# Altium PCB slave.PcbDoc (part 4 of 7)
Units mm, origin at the board's own origin, x right, y up, seen from the top; angles counter-clockwise.
Board outline 260 x 70 mm, 6 copper layers (Top, FUSED_VBAT-, Signals1, Signals2, SUPPLY, Bottom), stack 1.67 mm thick; 597 components, 381 nets, 1695 pads, 3029 vias.
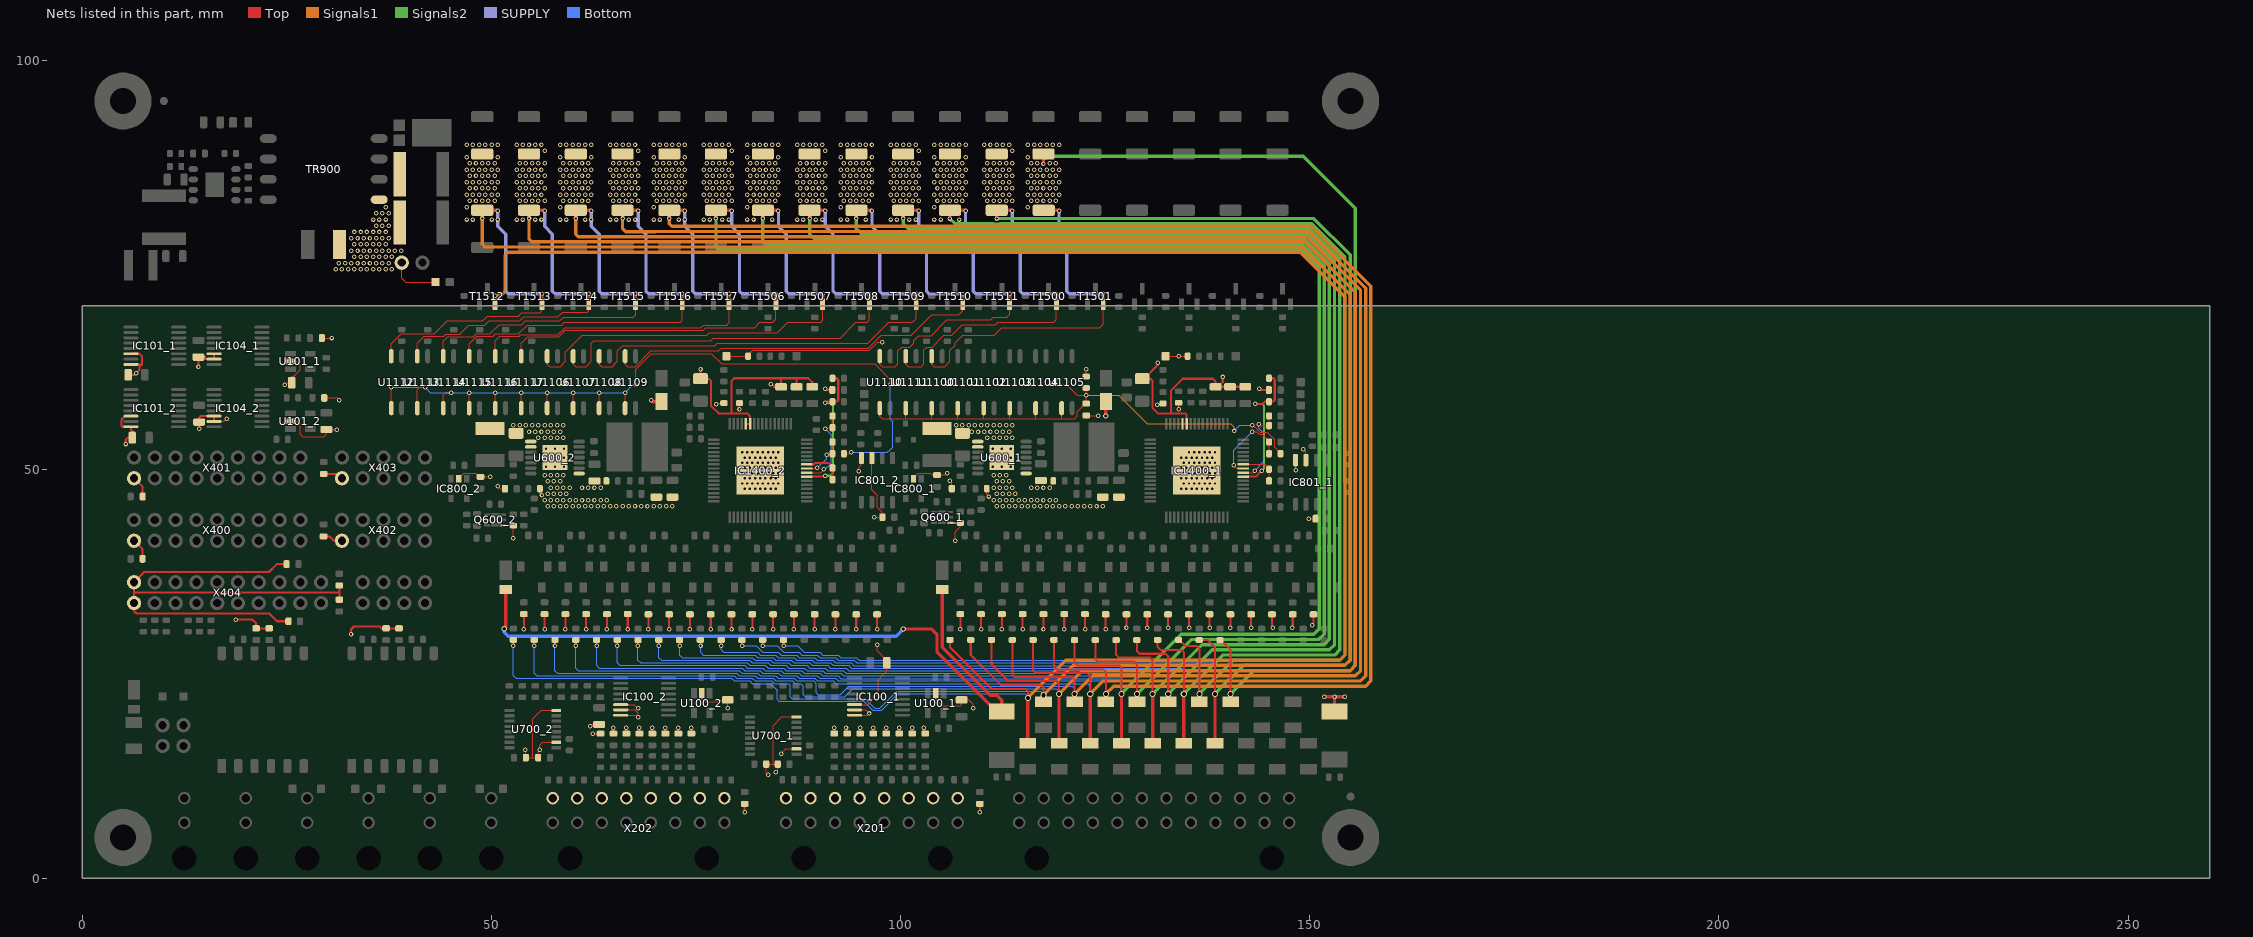
[diagram p8: the nets of this part, all layers, seen from the top]

## Via types
v1: diameter 0.55, hole 0.3, Top to Bottom, tented both sides, 2991 vias
v2: diameter 0.75, hole 0.5, Top to Bottom, tented both sides, 22 vias
v3: diameter 0.65, hole 0.4, Top to Bottom, tented both sides, 16 vias

## Nets (pads, with @x,y where several pads share a name; then routed paths per layer and width w, separated by ;. In a path a pad name is that pad's centre, name@x,y a point inside that pad or via, vN(x,y) a via of type N, cw(c..) or ccw(c..) an arc to the next point about the centre after c; other vN are vias at no path point) (continued)
FUSED_CELL.CELL_4+: F314.2 R1301_1.1 R1301_2.1 R1500.1 R1506.1 T1501.2 U1100.2 | length 228.9
  Top w0.152: U1100.2@103.822,63.817 103.822,62.841 104.116,62.547 105.41,62.547 106.045,63.182 106.045,64.535 106.68,65.17 106.68,65.458 107.58,66.358 111.442,66.358 112.395,67.31 124.362,67.31 124.775,67.723 T1501.2@124.775,70.17
  Top w0.254: R1301_2.1@85.705,29.133 85.705,28.436 v1(85.725,28.416) ; R1301_1.1@139.045,29.133 139.145,29.133 140.335,27.942 v2(140.335,22.543)
  Top w0.406: v1(117.475,87.313) R1506.1@117.475,88.53 ; R1500.1@117.505,81.65 119.327,81.65 v1(119.38,81.597) ; T1501.2@124.775,70.17 124.775,71.435 v1(124.777,71.438) ; F314.2@140.335,21.593 v2(140.335,22.543)
  Signals2 w0.406: v1(117.475,87.313) 117.475,87.789 117.951,88.265 149.225,88.265 155.575,81.915 155.575,81.597 155.575,69.85 155.575,26.035 154.94,25.4 143.192,25.4 v2(140.335,22.543)
  SUPPLY w0.406: v1(119.38,81.597) 119.38,79.692 120.332,78.74 120.332,71.755 120.65,71.438 v1(124.777,71.438)
  Bottom w0.152: v1(85.725,28.416) 87.471,28.416 88.265,27.622 90.17,27.622 90.487,27.305 92.392,27.305 92.71,26.987 94.615,26.987 94.945,26.658 140.017,26.658 140.335,26.34 v2(140.335,22.543)
  other v1: 115.57,82.042 115.951,82.804 116.713,82.804 117.475,82.804 118.237,82.804 118.999,82.804 115.57,83.566 116.332,83.566 117.094,83.566 117.856,83.566 118.618,83.566 119.38,83.566 115.951,84.328 116.713,84.328 117.475,84.328 118.237,84.328 118.999,84.328 115.57,85.09 116.332,85.09 117.094,85.09 117.856,85.09 118.618,85.09 119.38,85.09 115.951,85.852 116.713,85.852 117.475,85.852 118.237,85.852 118.999,85.852 115.57,86.614 116.332,86.614 117.094,86.614 117.856,86.614 118.618,86.614 119.38,86.614 115.951,87.376 116.713,87.376 118.237,87.376 118.999,87.376 115.57,88.138 115.57,89.662 116.332,89.662 117.094,89.662 117.856,89.662 118.618,89.662 119.38,89.662
FUSED_CELL.CELL_5+: F313.2 R1300_1.1 R1300_2.1 R1523.1 R1529.1 T1500.2 U1111.2 | length 231.1
  Top w0.152: U1111.2@100.647,63.817 100.647,62.841 100.941,62.547 102.552,62.547 102.87,62.865 102.87,64.609 103.188,64.927 103.859,64.927 105.29,66.358 106.28,66.358 107.567,67.645 111.615,67.645 111.915,67.945 118.742,67.945 119.06,68.263 T1500.2@119.06,70.17
  Top w0.254: R1300_2.1@83.165,29.133 83.165,28.436 v1(83.185,28.416) ; R1300_1.1@136.505,29.133 137.555,29.133 138.43,28.258 v2(138.43,22.543)
  Top w0.406: v1(111.763,80.64) 111.76,80.643 R1523.1@111.76,81.65 113.612,81.65 v1(113.665,81.597) ; T1500.2@119.06,70.17 v1(119.06,71.438) ; F313.2@138.43,16.513 v2(138.43,22.543)
  Signals2 w0.406: v1(111.763,80.64) 150.5,80.64 154.94,76.2 154.94,69.85 154.94,26.67 154.305,26.035 141.922,26.035 v2(138.43,22.543)
  SUPPLY w0.406: v1(113.665,81.597) 113.665,79.692 114.617,78.74 114.617,71.755 114.935,71.438 v1(119.06,71.438)
  Bottom w0.152: v1(83.185,28.416) 84.931,28.416 85.725,27.622 87.63,27.622 87.947,27.305 89.852,27.305 90.17,26.987 92.075,26.987 92.392,26.67 94.297,26.67 94.627,26.34 138.112,26.34 138.43,26.023 v2(138.43,22.543)
  other v1: 110.617,82.804 111.379,82.804 112.141,82.804 112.903,82.804 113.665,82.804 110.236,83.566 110.998,83.566 111.76,83.566 112.522,83.566 113.284,83.566 110.617,84.328 111.379,84.328 112.141,84.328 112.903,84.328 113.665,84.328 110.236,85.09 110.998,85.09 111.76,85.09 112.522,85.09 113.284,85.09 110.617,85.852 111.379,85.852 112.141,85.852 112.903,85.852 113.665,85.852 110.236,86.614 110.998,86.614 111.76,86.614 112.522,86.614 113.284,86.614 110.617,87.376 111.379,87.376 112.141,87.376 112.903,87.376 113.665,87.376 113.665,88.9 110.236,89.662 110.998,89.662 111.76,89.662 112.522,89.662 113.284,89.662
FUSED_CELL.CELL_6+: F312.2 R1312_1.1 R1312_2.1 R1522.1 R1528.1 T1511.2 U1110.2 | length 230.1
  Top w0.152: U1110.2@97.472,63.817 97.472,62.841 97.798,62.515 99.345,62.515 99.695,62.865 99.695,64.453 100.169,64.927 101.134,64.927 101.6,65.393 101.6,65.722 102.223,66.345 103.736,66.345 105.653,68.263 111.057,68.263 111.363,68.568 112.998,68.568 113.345,68.914 T1511.2@113.345,70.17
  Top w0.254: R1312_2.1@80.625,29.133 80.625,28.436 v1(80.645,28.416) ; R1312_1.1@133.965,29.082 R1312_1.1@133.985,29.062 ; R1312_1.1@133.965,29.133 134.065,29.133 134.781,28.416 136.207,28.416 136.525,28.099 v2(136.525,22.543)
  Top w0.406: v1(106.045,80.64) R1522.1@106.045,81.65 107.897,81.65 v1(107.95,81.597) ; T1511.2@113.345,70.17 113.345,71.435 v1(113.347,71.438) ; F312.2@136.525,21.593 v2(136.525,22.543)
  Signals2 w0.406: v1(106.045,80.64) 106.675,80.01 111.429,80.01 111.481,79.959 112.045,79.959 112.097,80.01 150.239,80.01 154.305,75.944 154.305,70.802 154.305,70.168 154.305,27.305 153.67,26.67 140.653,26.67 v2(136.525,22.543)
  SUPPLY w0.406: v1(107.95,81.597) 107.95,79.692 108.902,78.74 108.902,71.755 109.22,71.438 v1(113.347,71.438)
  Bottom w0.152: v1(80.645,28.416) 82.391,28.416 83.185,27.622 85.09,27.622 85.407,27.305 87.312,27.305 87.63,26.987 89.535,26.987 89.852,26.67 91.757,26.67 92.075,26.352 93.98,26.352 94.31,26.023 136.207,26.023 136.525,25.705 v2(136.525,22.543)
  other v1: 104.14,80.518 104.902,80.518 107.188,80.518 104.14,82.042 104.521,82.804 105.283,82.804 106.045,82.804 106.807,82.804 107.569,82.804 104.14,83.566 104.902,83.566 105.664,83.566 106.426,83.566 107.188,83.566 107.95,83.566 104.521,84.328 105.283,84.328 106.045,84.328 106.807,84.328 107.569,84.328 104.14,85.09 104.902,85.09 105.664,85.09 106.426,85.09 107.188,85.09 107.95,85.09 104.521,85.852 105.283,85.852 106.045,85.852 106.807,85.852 107.569,85.852 104.14,86.614 104.902,86.614 105.664,86.614 106.426,86.614 107.188,86.614 107.95,86.614 104.521,87.376 105.283,87.376 106.045,87.376 106.807,87.376 107.569,87.376 104.14,88.138 107.95,88.138 104.14,89.662 104.902,89.662 105.664,89.662 106.426,89.662 107.188,89.662 107.95,89.662
FUSED_CELL.CELL_7+: F311.2 R1311_1.1 R1311_2.1 R1521.1 R1527.1 T1510.2 U1109.2 | length 266.8
  Top w0.152: U1109.2@66.358,63.817 66.358,62.841 66.651,62.547 67.608,62.547 69.513,64.453 77.805,64.453 78.123,64.77 96.092,64.77 97.68,66.358 101.295,66.358 103.835,68.897 107.139,68.897 107.61,69.368 T1510.2@107.61,70.17
  Top w0.254: R1311_2.1@78.085,29.133 78.085,28.436 v1(78.105,28.416) ; R1311_1.1@131.425,29.133 131.425,28.278 131.762,27.94 134.302,27.94 134.62,27.622 v2(134.62,22.543)
  Top w0.406: v1(100.335,80.645) 100.33,80.65 R1521.1@100.33,81.65 102.182,81.65 v1(102.235,81.597) ; T1510.2@107.61,70.17 v1(107.61,71.415) ; F311.2@134.62,16.513 v2(134.62,22.543)
  Signals2 w0.406: v1(100.335,80.645) 100.33,80.64 100.33,80.01 100.965,79.375 101.6,79.375 149.976,79.375 153.67,75.681 153.67,70.802 153.67,70.168 153.67,27.94 153.035,27.305 139.382,27.305 v2(134.62,22.543)
  SUPPLY w0.406: v1(102.235,81.597) 102.235,79.692 103.188,78.74 103.188,71.755 103.528,71.415 v1(107.61,71.415)
  Bottom w0.152: v1(78.105,28.416) 78.105,27.94 78.422,27.622 82.55,27.622 82.867,27.305 84.772,27.305 85.09,26.987 86.995,26.987 87.312,26.67 89.218,26.67 89.535,26.352 91.44,26.352 91.757,26.035 93.662,26.035 93.992,25.705 134.302,25.705 134.62,25.388 v2(134.62,22.543)
  other v1: 98.806,80.518 99.568,80.518 101.092,80.518 101.854,80.518 99.187,82.804 99.949,82.804 100.711,82.804 101.473,82.804 102.235,82.804 98.806,83.566 99.568,83.566 100.33,83.566 101.092,83.566 101.854,83.566 99.187,84.328 99.949,84.328 100.711,84.328 101.473,84.328 102.235,84.328 98.806,85.09 99.568,85.09 100.33,85.09 101.092,85.09 101.854,85.09 99.187,85.852 99.949,85.852 100.711,85.852 101.473,85.852 102.235,85.852 98.806,86.614 99.568,86.614 100.33,86.614 101.092,86.614 101.854,86.614 99.187,87.376 99.949,87.376 100.711,87.376 101.473,87.376 102.235,87.376 102.235,88.9 98.806,89.662 99.568,89.662 100.33,89.662 101.092,89.662 101.854,89.662
FUSED_CELL.CELL_8+: F310.2 R1310_1.1 R1310_2.1 R1520.1 R1526.1 T1509.2 U1108.2 | length 268
  Top w0.152: U1108.2@63.182,63.817 63.182,62.841 63.476,62.547 64.77,62.547 65.405,63.182 65.405,64.453 66.04,65.087 77.282,65.087 77.607,65.413 96.016,65.413 98.549,67.945 101.465,67.945 101.93,68.41 T1509.2@101.93,70.17
  Top w0.254: R1310_2.1@75.545,29.133 75.545,28.436 v1(75.565,28.416) ; R1310_1.1@128.885,29.133 128.885,27.801 129.222,27.464 132.398,27.464 132.715,27.146 v2(132.715,22.543)
  Top w0.406: v1(94.615,80.645) R1520.1@94.615,81.65 96.467,81.65 v1(96.52,81.597) ; v1(101.917,71.438) 101.93,71.438 T1509.2@101.93,70.17 ; F310.2@132.715,21.593 v2(132.715,22.543)
  Signals2 w0.406: v1(94.615,80.645) 94.615,79.375 94.932,79.058 95.25,78.74 149.713,78.74 153.035,75.418 153.035,70.168 153.035,28.575 152.4,27.94 138.112,27.94 v2(132.715,22.543)
  SUPPLY w0.406: v1(96.52,81.597) 96.52,79.692 97.472,78.74 97.472,71.755 97.79,71.438 v1(101.917,71.438)
  Bottom w0.152: v1(75.565,28.416) 75.565,27.622 75.882,27.305 82.233,27.305 82.55,26.987 84.455,26.987 84.772,26.67 86.677,26.67 86.995,26.352 88.9,26.352 89.218,26.035 91.123,26.035 91.44,25.717 93.345,25.717 93.675,25.388 132.398,25.388 132.715,25.07 v2(132.715,22.543)
  other v1: 92.71,80.518 93.472,80.518 95.758,80.518 92.71,82.042 93.091,82.804 93.853,82.804 94.615,82.804 95.377,82.804 96.139,82.804 92.71,83.566 93.472,83.566 94.234,83.566 94.996,83.566 95.758,83.566 96.52,83.566 93.091,84.328 93.853,84.328 94.615,84.328 95.377,84.328 96.139,84.328 92.71,85.09 93.472,85.09 94.234,85.09 94.996,85.09 95.758,85.09 96.52,85.09 93.091,85.852 93.853,85.852 94.615,85.852 95.377,85.852 96.139,85.852 92.71,86.614 93.472,86.614 94.234,86.614 94.996,86.614 95.758,86.614 96.52,86.614 93.091,87.376 93.853,87.376 94.615,87.376 95.377,87.376 96.139,87.376 92.71,88.138 96.52,88.138 92.71,89.662 93.472,89.662 94.234,89.662 94.996,89.662 95.758,89.662 96.52,89.662
FUSED_CELL.CELL_9+: F309.2 R1309_1.1 R1309_2.1 R1519.1 R1525.1 T1508.2 U1107.2 | length 278.7
  Top w0.152: U1107.2@60.008,63.817 60.008,62.841 60.301,62.547 61.595,62.547 62.23,63.182 62.23,65.418 62.535,65.722 76.8,65.722 77.117,66.04 92.645,66.04 94.55,67.945 95.95,67.945 96.2,68.195 T1508.2@96.2,70.17
  Top w0.254: R1309_2.1@73.005,29.133 73.005,28.436 v1(73.025,28.416) ; R1309_1.1@126.345,29.133 126.345,27.325 126.682,26.987 130.493,26.987 130.81,26.67 v2(130.81,22.543)
  Top w0.406: v1(88.9,80.645) R1519.1@88.9,81.65 90.752,81.65 v1(90.805,81.597) ; T1508.2@96.2,70.17 v1(96.2,71.438) ; F309.2@130.81,16.513 v2(130.81,22.543)
  Signals2 w0.406: v1(88.9,80.645) 88.9,78.74 89.535,78.105 90.487,78.105 149.45,78.105 152.4,75.155 152.4,70.168 152.4,29.21 151.765,28.575 136.843,28.575 v2(130.81,22.543)
  SUPPLY w0.406: v1(90.805,81.597) 90.805,79.692 91.757,78.74 91.757,71.755 92.075,71.438 v1(96.2,71.438)
  Bottom w0.152: v1(73.025,28.416) 73.025,27.305 73.343,26.987 81.915,26.987 82.233,26.67 84.138,26.67 84.455,26.352 86.36,26.352 86.677,26.035 88.582,26.035 88.9,25.717 90.805,25.717 91.123,25.4 93.027,25.4 93.357,25.07 130.493,25.07 130.81,24.753 v2(130.81,22.543)
  other v1: 87.376,80.518 88.138,80.518 89.662,80.518 90.424,80.518 87.757,82.804 88.519,82.804 89.281,82.804 90.043,82.804 90.805,82.804 87.376,83.566 88.138,83.566 88.9,83.566 89.662,83.566 90.424,83.566 87.757,84.328 88.519,84.328 89.281,84.328 90.043,84.328 90.805,84.328 87.376,85.09 88.138,85.09 88.9,85.09 89.662,85.09 90.424,85.09 87.757,85.852 88.519,85.852 89.281,85.852 90.043,85.852 90.805,85.852 87.376,86.614 88.138,86.614 88.9,86.614 89.662,86.614 90.424,86.614 87.757,87.376 88.519,87.376 89.281,87.376 90.043,87.376 90.805,87.376 90.805,88.9 87.376,89.662 88.138,89.662 88.9,89.662 89.662,89.662 90.424,89.662
FUSED_CELL.CELL_10+: F308.2 R1308_1.1 R1308_2.1 R1518.1 R1524.1 T1507.2 U1106.2 | length 278.4
  Top w0.152: U1106.2@56.832,63.817 56.832,62.841 57.126,62.547 58.42,62.547 59.055,63.182 59.055,64.318 61.095,66.358 76.355,66.358 76.65,66.652 84.912,66.652 86.205,67.945 90.235,67.945 90.485,68.195 T1507.2@90.485,70.17
  Top w0.254: R1308_2.1@70.465,29.133 70.465,28.436 v1(70.485,28.416) ; R1308_1.1@123.805,29.133 123.805,26.849 124.142,26.511 128.588,26.511 128.905,26.194 v2(128.905,22.543)
  Top w0.406: v1(83.185,80.645) R1518.1@83.185,81.65 85.037,81.65 v1(85.09,81.597) ; T1507.2@90.485,70.17 90.485,70.972 90.487,70.974 v1(90.487,71.438) ; F308.2@128.905,21.593 128.905,22.344 128.707,22.543 v2(128.905,22.543)
  Signals2 w0.406: v1(83.185,80.645) 83.185,77.787 83.502,77.47 149.187,77.47 151.765,74.892 151.765,70.237 151.765,29.845 151.13,29.21 135.572,29.21 v2(128.905,22.543)
  SUPPLY w0.406: v1(85.09,81.597) 85.09,79.692 86.042,78.74 86.042,71.755 86.36,71.438 v1(90.487,71.438)
  Bottom w0.152: v1(70.485,28.416) 70.485,26.987 70.802,26.67 81.597,26.67 81.915,26.352 83.82,26.352 84.138,26.035 86.042,26.035 86.36,25.717 88.265,25.717 88.582,25.4 90.487,25.4 90.805,25.082 92.71,25.082 93.04,24.753 128.588,24.753 128.905,24.435 v2(128.905,22.543)
  other v1: 81.28,80.518 82.042,80.518 84.328,80.518 81.28,82.042 81.661,82.804 82.423,82.804 83.185,82.804 83.947,82.804 84.709,82.804 81.28,83.566 82.042,83.566 82.804,83.566 83.566,83.566 84.328,83.566 85.09,83.566 81.661,84.328 82.423,84.328 83.185,84.328 83.947,84.328 84.709,84.328 81.28,85.09 82.042,85.09 82.804,85.09 83.566,85.09 84.328,85.09 85.09,85.09 81.661,85.852 82.423,85.852 83.185,85.852 83.947,85.852 84.709,85.852 81.28,86.614 82.042,86.614 82.804,86.614 83.566,86.614 84.328,86.614 85.09,86.614 81.661,87.376 82.423,87.376 83.185,87.376 83.947,87.376 84.709,87.376 81.28,88.138 85.09,88.138 81.28,89.662 82.042,89.662 82.804,89.662 83.566,89.662 84.328,89.662 85.09,89.662
FUSED_CELL.CELL_11+: F307.2 R1307_1.1 R1307_2.1 R1541.1 R1547.1 T1506.2 U1117.2 | length 286.9
  Top w0.152: U1117.2@53.657,63.817 53.657,65.405 54.438,66.185 58.248,66.185 59.055,66.992 75.9,66.992 76.218,67.31 82.168,67.31 82.803,67.945 84.39,67.945 84.77,68.325 T1506.2@84.77,70.17
  Top w0.254: v1@67.925,28.533 R1307_2.1@67.925,29.082 ; R1307_1.1@121.265,29.133 121.265,26.373 121.602,26.035 126.682,26.035 127,25.717 v2(127,22.543)
  Top w0.406: v1(77.45,80.645) 77.465,80.66 R1541.1@77.465,81.65 79.322,81.65 v1(79.375,81.597) ; T1506.2@84.77,70.17 84.77,71.435 v1(84.772,71.438) ; F307.2@127,16.258 F307.2@127,16.513 v2(127,22.543)
  Signals2 w0.406: v1(77.45,80.645) 77.45,77.173 77.787,76.835 148.924,76.835 151.176,74.582 151.176,70.168 151.176,30.526 150.495,29.845 134.302,29.845 v2(127,22.543)
  SUPPLY w0.406: v1(79.375,81.597) 79.375,79.692 80.328,78.74 80.328,71.755 80.645,71.438 v1(84.772,71.438)
  Bottom w0.152: v1@67.925,28.533 v1(67.925,28.416) 67.925,26.69 68.263,26.352 81.28,26.352 81.597,26.035 83.502,26.035 83.82,25.717 85.725,25.717 86.042,25.4 87.947,25.4 88.265,25.082 90.17,25.082 90.487,24.765 92.392,24.765 92.722,24.435 126.682,24.435 127,24.118 v2(127,22.543)
  other v1: 75.946,80.518 76.708,80.518 78.232,80.518 78.994,80.518 76.327,82.804 77.089,82.804 77.851,82.804 78.613,82.804 79.375,82.804 75.946,83.566 76.708,83.566 77.47,83.566 78.232,83.566 78.994,83.566 76.327,84.328 77.089,84.328 77.851,84.328 78.613,84.328 79.375,84.328 75.946,85.09 76.708,85.09 77.47,85.09 78.232,85.09 78.994,85.09 76.327,85.852 77.089,85.852 77.851,85.852 78.613,85.852 79.375,85.852 75.946,86.614 76.708,86.614 77.47,86.614 78.232,86.614 78.994,86.614 76.327,87.376 77.089,87.376 77.851,87.376 78.613,87.376 79.375,87.376 79.375,88.9 75.946,89.662 76.708,89.662 77.47,89.662 78.232,89.662 78.994,89.662
FUSED_CELL.CELL_12+: F306.2 R1318_1.1 R1318_2.1 R1540.1 R1546.1 T1517.2 U1116.2 | length 302.1
  Top w0.152: U1116.2@50.482,63.817 50.482,65.722 51.036,66.276 53.391,66.276 53.555,66.439 58.143,66.439 59.013,67.31 75.565,67.31 75.882,67.627 78.748,67.627 79.055,67.935 T1517.2@79.055,70.17
  Top w0.254: v1(65.405,28.416) R1318_2.1@65.405,29.145 ; R1318_1.1@118.745,29.21 R1318_1.1@118.745,29.145 118.745,25.876 119.062,25.559 124.777,25.559 125.095,25.241 v2(125.095,22.543)
  Top w0.406: v1(71.755,80.645) R1540.1@71.755,81.65 73.607,81.65 v1(73.66,81.597) ; T1517.2@79.055,70.17 v1(79.055,71.435) ; F306.2@125.095,21.338 F306.2@125.095,21.593 v2(125.095,22.543)
  Signals1 w0.406: v1(71.755,80.645) 71.755,80.01 72.073,79.692 150.177,79.692 157.48,72.39 157.48,69.215 157.48,24.13 156.845,23.495 126.047,23.495 v2(125.095,22.543)
  SUPPLY w0.406: v1(73.66,81.597) v1(73.66,80.518) 73.66,79.692 74.612,78.74 74.612,71.755 74.933,71.435 v1(79.055,71.435)
  Bottom w0.152: v1(65.405,28.416) 65.405,26.352 65.722,26.035 80.962,26.035 81.28,25.717 83.185,25.717 83.502,25.4 85.407,25.4 85.725,25.082 87.63,25.082 87.947,24.765 89.852,24.765 90.17,24.447 92.075,24.447 92.392,24.13 124.777,24.13 125.095,23.812 v2(125.095,22.543)
  other v1: 69.85,80.518 70.612,80.518 72.898,80.518 69.85,82.042 70.231,82.804 70.993,82.804 71.755,82.804 72.517,82.804 73.279,82.804 69.85,83.566 70.612,83.566 71.374,83.566 72.136,83.566 72.898,83.566 73.66,83.566 70.231,84.328 70.993,84.328 71.755,84.328 72.517,84.328 73.279,84.328 69.85,85.09 70.612,85.09 71.374,85.09 72.136,85.09 72.898,85.09 73.66,85.09 70.231,85.852 70.993,85.852 71.755,85.852 72.517,85.852 73.279,85.852 69.85,86.614 70.612,86.614 71.374,86.614 72.136,86.614 72.898,86.614 73.66,86.614 70.231,87.376 70.993,87.376 71.755,87.376 72.517,87.376 73.279,87.376 69.85,88.138 73.66,88.138 69.85,89.662 70.612,89.662 71.374,89.662 72.136,89.662 72.898,89.662 73.66,89.662
FUSED_CELL.CELL_13+: F305.2 R1317_1.1 R1317_2.1 R1539.1 R1545.1 T1516.2 U1115.2 | length 311.7
  Top w0.152: U1115.2@47.307,63.817 47.307,65.336 48.247,66.276 50.228,66.276 50.482,66.53 53.286,66.53 54.372,67.615 58.6,67.615 58.92,67.935 73.071,67.935 73.34,68.203 T1516.2@73.34,70.17
  Top w0.254: v1(62.865,28.416) R1317_2.1@62.865,29.145 ; R1317_1.1@116.205,29.095 116.205,25.4 116.522,25.082 122.872,25.082 123.19,24.765 v2(123.19,22.543)
  Top w0.406: v1(66.04,80.645) R1539.1@66.04,81.65 67.892,81.65 v1(67.945,81.597) ; T1516.2@73.34,70.17 v1(73.34,71.435) ; F305.2@123.19,16.258 F305.2@123.19,16.513 v2(123.19,22.543)
  Signals1 w0.406: v1(66.04,80.645) 66.04,79.375 66.404,79.011 70.132,79.011 70.179,79.057 149.914,79.057 156.845,72.127 156.845,69.215 156.845,24.765 156.21,24.13 124.777,24.13 v2(123.19,22.543)
  SUPPLY w0.406: v1(67.945,81.597) 67.945,79.692 68.897,78.74 68.897,71.755 69.218,71.435 v1(73.34,71.435)
  Bottom w0.152: v1(62.865,28.416) 62.865,26.035 63.182,25.717 80.645,25.717 80.962,25.4 82.867,25.4 83.185,25.082 85.09,25.082 85.407,24.765 87.312,24.765 87.63,24.447 89.535,24.447 89.852,24.13 91.757,24.13 92.075,23.812 122.872,23.812 123.19,23.495 v2(123.19,22.543)
  other v1: 64.516,80.518 65.278,80.518 66.802,80.518 67.564,80.518 64.897,82.804 65.659,82.804 66.421,82.804 67.183,82.804 67.945,82.804 64.516,83.566 65.278,83.566 66.04,83.566 66.802,83.566 67.564,83.566 64.897,84.328 65.659,84.328 66.421,84.328 67.183,84.328 67.945,84.328 64.516,85.09 65.278,85.09 66.04,85.09 66.802,85.09 67.564,85.09 64.897,85.852 65.659,85.852 66.421,85.852 67.183,85.852 67.945,85.852 64.516,86.614 65.278,86.614 66.04,86.614 66.802,86.614 67.564,86.614 64.897,87.376 65.659,87.376 66.421,87.376 67.183,87.376 67.945,87.376 67.945,88.9 64.516,89.662 65.278,89.662 66.04,89.662 66.802,89.662 67.564,89.662
FUSED_CELL.CELL_14+: F304.2 R1316_1.1 R1316_2.1 R1538.1 R1544.1 T1515.2 U1114.2 | length 312.9
  Top w0.152: U1114.2@44.133,63.817 44.133,65.645 44.66,66.173 47.785,66.173 48.142,66.53 49.828,66.53 50.955,67.657 53.696,67.657 54.161,68.123 58.39,68.123 58.846,68.58 67.323,68.58 67.625,68.882 T1515.2@67.625,70.17
  Top w0.254: v1(60.325,28.416) R1316_2.1@60.325,29.145 ; R1316_1.1@113.665,29.21 R1316_1.1@113.665,29.145 113.665,24.924 113.983,24.606 120.968,24.606 121.285,24.289 v2(121.285,22.543)
  Top w0.406: v1(60.325,80.645) R1538.1@60.325,81.65 62.177,81.65 v1(62.23,81.597) ; T1515.2@67.625,70.17 v1(67.625,71.435) ; F304.2@121.285,21.338 F304.2@121.285,21.593 v2(121.285,22.543)
  Signals1 w0.406: v1(60.325,80.645) 60.325,78.74 60.643,78.422 149.651,78.422 156.21,71.864 156.21,69.215 156.21,25.4 155.575,24.765 123.507,24.765 v2(121.285,22.543)
  SUPPLY w0.406: v1(62.23,81.597) v1(62.23,80.518) 62.23,79.692 63.182,78.74 63.182,71.755 63.503,71.435 v1(67.625,71.435)
  Bottom w0.152: v1(60.325,28.416) 60.325,25.717 60.642,25.4 80.328,25.4 80.645,25.082 82.55,25.082 82.867,24.765 84.772,24.765 85.09,24.447 86.995,24.447 87.312,24.13 89.376,24.13 89.694,23.812 89.694,22.701 89.917,22.478 92.658,22.478 93.675,23.495 120.968,23.495 121.285,23.177 v2(121.285,22.543)
  other v1: 58.42,80.518 59.182,80.518 61.468,80.518 58.42,82.042 58.801,82.804 59.563,82.804 60.325,82.804 61.087,82.804 61.849,82.804 58.42,83.566 59.182,83.566 59.944,83.566 60.706,83.566 61.468,83.566 62.23,83.566 58.801,84.328 59.563,84.328 60.325,84.328 61.087,84.328 61.849,84.328 58.42,85.09 59.182,85.09 59.944,85.09 60.706,85.09 61.468,85.09 62.23,85.09 58.801,85.852 59.563,85.852 60.325,85.852 61.087,85.852 61.849,85.852 58.42,86.614 59.182,86.614 59.944,86.614 60.706,86.614 61.468,86.614 62.23,86.614 58.801,87.376 59.563,87.376 60.325,87.376 61.087,87.376 61.849,87.376 58.42,88.138 62.23,88.138 58.42,89.662 59.182,89.662 59.944,89.662 60.706,89.662 61.468,89.662 62.23,89.662